# Altium PCB SPEC-A7.PcbDoc (part 3 of 10)
Units mm, origin at the board's own origin, x right, y up, seen from the top; angles counter-clockwise.
Board outline 160 x 100 mm, 6 copper layers (Top Layer, L2, L3, L4, L5, Bottom Layer), stack 1.61 mm thick; 746 components, 489 nets, 2774 pads, 1740 vias.
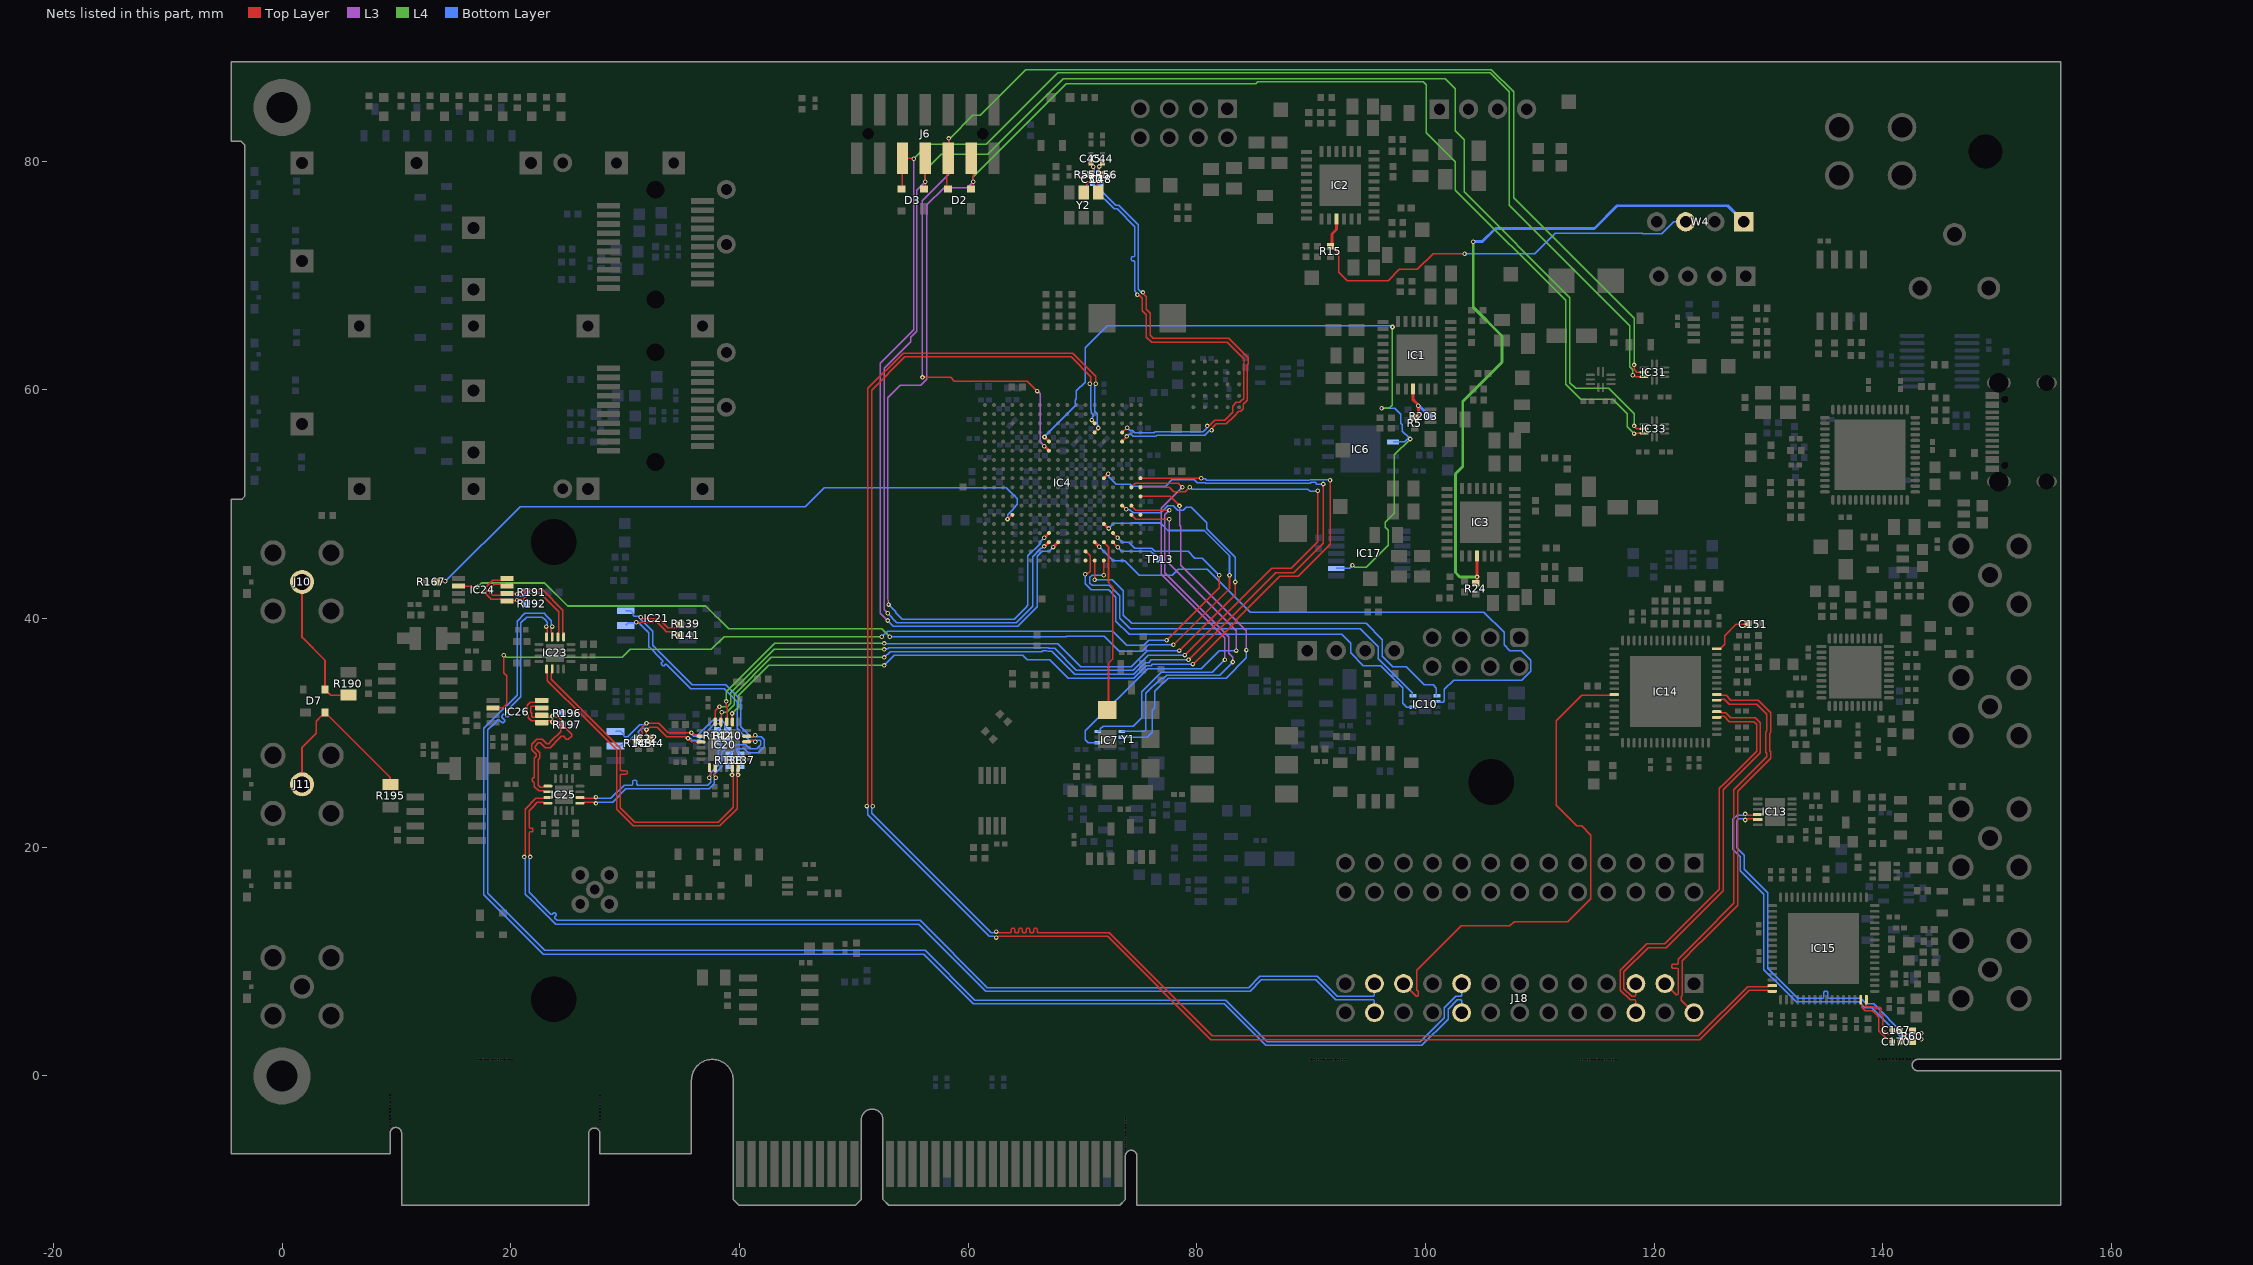
[diagram p7: the nets of this part, all layers, seen from the top]

## Part data (continued)
J17: library part CMP-245163-000001-1, "CONN RCPT USB2.0 TYPEC 5A", Current Rating=5/6.25/1.25/0.25A, Manufacturer=GCT, Package=0, Temperature="-40°C to +85°C", Temperature Range High=+85°C, Temperature Range Low=-40°C, Voltage Rating=20V, Automotive=No, Category=Conn, ComponentLink2Description=Datasheet, ComponentLink2URL=https://gct.co/files/drawings/usb4105.pdf, Conn Orientation="Right Angle", Contact Material=Gold,Nickel, Device Class L1=Connectors, Device Class L2="USB Connectors", Device Class L3=unset, Digikey Description="CONN RCPT USB2.0 TYPEC 5A", Height=3.46mm, Is Female=yes, Lead Free=Yes, Manufacturer Part Number=USB4105-GF-A, Number Of Contacts=16, Octopart=https://octopart.com/usb4105-gf-a-gct-106627878, RoHS=TRUE, USB Standard="USB 2.0"
J18 J20: "WR-PHD Pin Header, THT, pitch 2.54mm, Dual Row, Vertical, 26pin", Contact Resistance=20mOhm, Operating Temperature="-40 to +105degC", Rated Current=3A, Withstanding Voltage=500VAC, Working Voltage=250VAC, ComponentLink1Description=Manufacturer, ComponentLink1URL=http://www.we-online.de, ComponentLink2Description=Datasheet, ComponentLink2URL=https://katalog.we-online.de/em/datasheet/6130xx21121.pdf, Gender=Male, Mounting Technology=THT, Orientation=Vertical, Packaging=Bag, Part Number=61302621121, Pin Number=26, Pitch=2.54mm, Published Date="June 2019", Publisher="Wurth Elektronik", Row Number=Dual
J19: "WR-PHD Pin Header, THT, pitch 2.54mm, Dual Row, Vertical, 8pin", Contact Resistance=20mOhm, Operating Temperature="-40 to +105degC", Rated Current=3A, Withstanding Voltage=500VAC, Working Voltage=250VAC, ComponentLink1Description=Manufacturer, ComponentLink1URL=http://www.we-online.de, ComponentLink2Description=Datasheet, ComponentLink2URL=https://katalog.we-online.de/em/datasheet/6130xx21121.pdf, Gender=Male, Mounting Technology=THT, Orientation=Vertical, Packaging=Bag, Part Number=61300821121, Pin Number=8, Pitch=2.54mm, Published Date="June 2019", Publisher="Wurth Elektronik", Row Number=Dual
L1 L2: library part IND0402_MURATA_BLM15HB221SN1, Case=0402, Manufacturer=MURATA, Manufacturer Part Number=BLM15HB221SN1, Power=250mA, Resistance=1R, Tolerance=±25%, Author="CERN DEM JLC", Component Type=Standard, ComponentHeight=0.55mm, CreateDate=23.06.2009, HelpURL=\\cern.ch\dfs\Applications\Altium\Datasheets\IND0402_MURATA_BLM15H.pdf, LatestRevisionDate=25.10.2018, Mounted=Yes, Part Description="SMD EMIFIL Suppression Chip Ferrite Bead", Part Number=IND0402_MURATA_BLM15HB221SN1, Pin Count=2, Sense=No, SMD=Yes, Socket=No, Status=None
L3 L4 L5 L6 L7 L8 L9: library part IND0603_MURATA_BLM18SG121TN1D, "Inductor", Case=0603, Manufacturer=MURATA, Manufacturer Part Number=BLM18SG121TN1D, Power=3A, Resistance=0.025R, Tolerance=±25%, Author="CERN DEM JLC", Component Type=Standard, ComponentHeight=0.65mm, CreateDate=23.07.2014, HelpURL=\\cern.ch\dfs\Applications\Altium\Datasheets\IND0603_MURATA_BLM18S.pdf, LatestRevisionDate=23.07.2014, Mounted=Yes, Part Description="SMD EMIFIL Suppression Chip Ferrite Bead", Part Number=IND0603_MURATA_BLM18SG121TN1D, Pin Count=2, Sense=No, SMD=Yes, Socket=No, Status=None
L10 L11: library part IND_1UH_20%_MURATA_LQH32CN1R0M33, "Inductor With Core", Manufacturer=MURATA, Manufacturer Part Number=LQH32CN1R0M33, Power=1A, Resistance=0.06R, Tolerance=±20%, Author="CERN DEM JLC", Component Type=Standard, ComponentHeight=2.2mm, CreateDate=14.08.2012, HelpURL=\\cern.ch\dfs\Applications\Altium\Datasheets\IND_MURATA_LQH32CN_33.pdf, LatestRevisionDate=04.07.2018, Mounted=Yes, Part Description="Chip Inductor (Chip Coil) for Choke Wire Wound Type", Part Number=IND_1UH_20%_MURATA_LQH32CN1R0M33, Pin Count=2, Sense=No, SMD=Yes, Socket=No
LD1 LD2 LD3 LD4 LD5 LD6 LD7 LD8 LD9: library part LED_KINGBRIGHT_KPH-1608CGCK, "LED Green 1C 2A", Manufacturer=KINGBRIGHT, Manufacturer Part Number=KPH-1608CGCK, Author="CERN DEM JLC", Bonding=No, Color=Green, Component Type=Standard, ComponentHeight=0.65mm, CreateDate=03.07.2017, HelpURL=\\cern.ch\dfs\Applications\Altium\Datasheets\LED_KINGBRIGHT_KPH-1608CGCK.pdf, LatestRevisionDate=03.07.2017, Mounted=Yes, PackageDescription="SMT Green LED, Case 0603, Body L 1.6 x W 0.8mm H 0.65mm", Part Description="SMD Green LED, Case 1.6mmX0.8mm(0603), 0.65mm Thickness", Part Number=LED_KINGBRIGHT_KPH-1608CGCK, Pin Count=2, PressFit=No, Sense=No, SMD=Yes, Socket=No
LD10 LD11 LD12 LD13 LD14 LD15: library part LED_AVAGO_HSME-C120, "LED Green 1C 2A", Manufacturer="AVAGO TECHNOLOGIES", Manufacturer Part Number=HSME-C120, Author="CERN DEM JMW", Bonding=No, Color=Green, Component Type=Standard, ComponentHeight=0.7mm, ComponentLink1Description="Design Guide", ComponentLink1URL=\\cern.ch\dfs\Applications\Altium\Datasheets\LED_AVAGO_HSME-C110_DESIGN-GUIDE.pdf, CreateDate=22.07.2009, HelpURL=\\cern.ch\dfs\Applications\Altium\Datasheets\LED_AVAGO_HSME-C120.pdf, LatestRevisionDate=20.06.2012, Mounted=Yes, PackageDescription="Green Chip LED, 2-Leads, Body 1.7x1.1mm, Side Emitting Package", Part Description="High Performance Right Angle Chip Green LED", Part Number=LED_AVAGO_HSME-C120, Pin Count=2, PressFit=No, Sense=No, SMD=Yes, Socket=No
LD16 LD17 LD18 LD19: library part LED_AVAGO_HSMC-C120, "LED Red 1C 2A", Manufacturer="AVAGO TECHNOLOGIES", Manufacturer Part Number=HSMC-C120, Author="CERN DEM JMW", Bonding=No, Color=Red, Component Type=Standard, ComponentHeight=0.7mm, ComponentLink1Description="Design Guide", ComponentLink1URL=\\cern.ch\dfs\Applications\Altium\Datasheets\LED_AVAGO_HSMC-C120_DESIGN-GUIDE.pdf, CreateDate=22.07.2009, HelpURL=\\cern.ch\dfs\Applications\Altium\Datasheets\LED_AVAGO_HSMC-C120.pdf, LatestRevisionDate=20.06.2012, Mounted=Yes, PackageDescription="Red Chip LED, 2-Leads, Body 1.7x1.1mm, Side Emitting Package", Part Description="High Performance Right Angle Chip Red LED", Part Number=LED_AVAGO_HSMC-C120, Pin Count=2, PressFit=No, Sense=No, SMD=Yes, Socket=No
OSC1: library part OSC_25MHZ_CONNOR-WINFIELD_T604-025.0M, "Oscillator 4 pins 4=GND 5=OUT 8=OE 9=VCC 10=VC", Manufacturer=CONNOR-WINFIELD, Manufacturer Part Number=T604-025.0M, Author="CERN DEM MR", Bonding=No, Component Type=Standard, ComponentHeight=2.4mm, CreateDate=12.09.2016, HelpURL=\\cern.ch\dfs\Applications\Altium\Datasheets\OSC_CONNOR-WINFIELD_T.pdf, LatestRevisionDate=22.04.2021, Mounted=Yes, PackageDescription="SMD VCTCXO, Side Concave, 10 Pins, 5.00x7.00mm, T Series", Part Description="3.3V, ±0.28ppm, 15pF, -40°C to 85°C, LVCMOS,  Precision Tri-State Surface Mount VCTCXO, T Series", Part Number=OSC_25MHZ_CONNOR-WINFIELD_T604-025.0M, Pin Count=10, PressFit=No, Sense=No, SMD=Yes, Socket=No
OSC2: library part OSC_20MHZ_CONNOR-WINFIELD_DOT050V-020.0M, "Oscillator 4 pins 1=VCO 3=GND 4=OUT 6=VCC", Manufacturer=CONNOR-WINFIELD, Manufacturer Part Number=DOT050V-020.0M, Author="CERN DEM BC", Bonding=No, Component Type=Standard, ComponentHeight=6.86mm, CreateDate=04.11.2016, HelpURL=\\cern.ch\dfs\Applications\Altium\Datasheets\OSC_CONNOR-WINFIELD_DOT050V.pdf, LatestRevisionDate=04.11.2016, Mounted=Yes, PackageDescription="SMD VCTCXO, Side Concave, 6 Pins, 9.00mm x 14.0mm, DOT050V Series", Part Description="3.3V, ±0.05ppm, 15pF, 0 to 70°C, LVCMOS, Precision Surface Mount VCTCXO Temperature Compensated Crystal Oscillator, DOT050V Series", Part Number=OSC_20MHZ_CONNOR-WINFIELD_DOT050V-020.0M, Pin Count=6, PressFit=No, Sense=No, SMD=Yes, Socket=No
P1: "WR-PHD Pin Header, THT, Vertical, pitch 2.54mm, 2 Row, 8P", Contact Resistance=20mOhm, Manufacturer="Wurth Elektronik", Operating Temperature Max=105°C, Operating Temperature Min=-40°C, Rated Current=3A, Withstanding Voltage=500V, Working Voltage=250V, Category="Board-to-Board Connectors", ComponentLink1Description="Website Link", ComponentLink1URL=https://www.we-online.com/redexpert/article/61300821121?ad, ComponentLink2Description="Datasheet Link", ComponentLink2URL=https://www.we-online.com/redexpert/spec/61300821121?ad, Gender="Pin Header", Manufacturer Part Number=61300821121, Match Code=WR-PHD, Mount="Through Hole", Number of Pins=8, Number Of Rows=2, Orientation=Vertical, Packaging=Bag, Pitch=2.54mm
Q1: library part XTAL_12MHZ_TXC_7M-12.000MAAJ-T, "Crystal 4 pins 1=XTAL Control 2=GND3=XTAL 4=GND", Manufacturer="TXC CORPORATION", Manufacturer Part Number=7M-12.000MAAJ-T, Author="CERN DEM JLC", Bonding=No, Component Type=Standard, ComponentHeight=0.8mm, CreateDate=19.06.2012, HelpURL=\\cern.ch\dfs\Applications\Altium\Datasheets\XTAL_TXC_7M.pdf, LatestRevisionDate=19.06.2012, Mounted=Yes, PackageDescription="4 Pins, 2.5x3.2mm, SMD Sealing Crystal, 7M Serie", Part Description="±30ppm 18pF -20°C to +70°C  4 Pins, 3.2x2.5X0.8mm, SMD Sealing Crystal, 7M Series", Part Number=XTAL_12MHZ_TXC_7M-12.000MAAJ-T, Pin Count=4, PressFit=No, Sense=No, SMD=Yes, Socket=No
R1 R2 R6 R10 R17 R19 R26 R28 R44 R58 R63 R64 R65 R79 R125 R126 R127 R128 R129 R130 R137 R138 R139 R140 R141 R142 R143 R144 R147 R155 R156 R157 R158 R167 R168 R171 R172 R173 R174 R176 R193 R198 R202 R206: library part R0402_0R_JUMPER, "Resistor", Case=0402, Manufacturer=GENERIC, Manufacturer1 ComponentHeight=0.4mm, Manufacturer1 Example="YAGEO PHYCOMP", Manufacturer1 Part Number=232270591001L, Author="CERN DEM JLC", Component Type=Standard, CreateDate=03.12.2007, HelpURL=\\cern.ch\dfs\Applications\Altium\Datasheets\R0402_Phycomp_RC0402.pdf, LatestRevisionDate=17.10.2012, Manufacturer Part Number=R0402_0R_JUMPER, Mounted=Yes, Part Description="1A (0.05R Max DC Resistance) Zero Ohm Jumper", Part Number=R0402_0R_JUMPER, Pin Count=2, PressFit=No, Sense=No, SMD=Yes, Socket=No, Status="Not Recommended"
  R44 R147 R171 R172 R173 R174 R176: ClassName=Artix
R3 R4 R5 R7 R8 R11 R15 R16 R20 R21 R24 R30 R32 R33 R34 R35 R43 R49 R94 R95 R96 R98 R100 R101 R102 R103 R107 R108 R109 R110 R111 R114 R116 R117 R118 R119 R120 R135 R136 R145 R146 R203: library part R0402_10K_1%_0.0625W_100PPM, "Resistor - 1%", Case=0402, Manufacturer=GENERIC, Manufacturer1 ComponentHeight=0.4mm, Manufacturer1 Example="YAGEO PHYCOMP", Manufacturer1 Part Number=232270671003L, Power=0.0625W, Tolerance=±1%, Author="CERN DEM JLC", Component Type=Standard, CreateDate=03.12.2007, HelpURL=\\cern.ch\dfs\Applications\Altium\Datasheets\R0402_Phycomp_RC0402.pdf, LatestRevisionDate=17.10.2012, Manufacturer Part Number=R0402_10K_1%_0.0625W_100PPM, Mounted=Yes, Part Description="General Purpose Thick Film Chip Resistor", Part Number=R0402_10K_1%_0.0625W_100PPM, Pin Count=2, PressFit=No, Sense=No, SMD=Yes, Socket=No, Status="Not Recommended", TC=±100ppm/°C
  R43 R49: ClassName=FPGA_JTAG
R9 R12 R14 R18 R39: library part R0402_15K_1%_0.0625W_100PPM, "Resistor - 1%", Case=0402, Manufacturer=GENERIC, Manufacturer1 ComponentHeight=0.4mm, Manufacturer1 Example=VISHAY, Manufacturer1 Part Number=CRCW040215K0FK, Power=0.0625W, Tolerance=±1%, Author="CERN DEM JMW", Component Type=Standard, CreateDate=06.07.2015, HelpURL="\\cern.ch\dfs\Applications\Altium\Datasheets\R0402_VISHAY_CRCW e3.pdf", LatestRevisionDate=06.07.2015, Manufacturer Part Number=R0402_15K_1%_0.0625W_100PPM, Mounted=Yes, Part Description="General Purpose Thick Film Chip Resistor", Part Number=R0402_15K_1%_0.0625W_100PPM, Pin Count=2, PressFit=No, Sense=No, SMD=Yes, Socket=No, Status=Preferred, TC=±100ppm/°C
R13 R25: library part R0402_7K5_1%_0.0625W_100PPM, "Resistor - 1%", Case=0402, Manufacturer=GENERIC, Manufacturer1 ComponentHeight=0.4mm, Manufacturer1 Example="YAGEO PHYCOMP", Manufacturer1 Part Number=232270677502L, Power=0.0625W, Tolerance=±1%, Author="CERN DEM JLC", Component Type=Standard, CreateDate=03.12.2007, HelpURL=\\cern.ch\dfs\Applications\Altium\Datasheets\R0402_Phycomp_RC0402.pdf, LatestRevisionDate=17.10.2012, Manufacturer Part Number=R0402_7K5_1%_0.0625W_100PPM, Mounted=Yes, Part Description="General Purpose Thick Film Chip Resistor", Part Number=R0402_7K5_1%_0.0625W_100PPM, Pin Count=2, PressFit=No, Sense=No, SMD=Yes, Socket=No, Status="Not Recommended", TC=±100ppm/°C
R22 R29: library part R0402_11K_1%_0.0625W_100PPM, "Resistor - 1%", Case=0402, Manufacturer=GENERIC, Manufacturer1 ComponentHeight=0.4mm, Manufacturer1 Example="YAGEO PHYCOMP", Manufacturer1 Part Number=232270671103L, Power=0.0625W, Tolerance=±1%, Author="CERN DEM JLC", Component Type=Standard, CreateDate=03.12.2007, HelpURL=\\cern.ch\dfs\Applications\Altium\Datasheets\R0402_Phycomp_RC0402.pdf, LatestRevisionDate=17.10.2012, Manufacturer Part Number=R0402_11K_1%_0.0625W_100PPM, Mounted=Yes, Part Description="General Purpose Thick Film Chip Resistor", Part Number=R0402_11K_1%_0.0625W_100PPM, Pin Count=2, PressFit=No, Sense=No, SMD=Yes, Socket=No, Status="Not Recommended", TC=±100ppm/°C
R23: library part R0402_1K5_1%_0.0625W_100PPM, "Resistor - 1%", Case=0402, Manufacturer=GENERIC, Manufacturer1 ComponentHeight=0.4mm, Manufacturer1 Example="YAGEO PHYCOMP", Manufacturer1 Part Number=232270671502L, Power=0.0625W, Tolerance=±1%, Author="CERN DEM JLC", Component Type=Standard, CreateDate=03.12.2007, HelpURL=\\cern.ch\dfs\Applications\Altium\Datasheets\R0402_Phycomp_RC0402.pdf, LatestRevisionDate=17.10.2012, Manufacturer Part Number=R0402_1K5_1%_0.0625W_100PPM, Mounted=Yes, Part Description="General Purpose Thick Film Chip Resistor", Part Number=R0402_1K5_1%_0.0625W_100PPM, Pin Count=2, PressFit=No, Sense=No, SMD=Yes, Socket=No, Status="Not Recommended", TC=±100ppm/°C
R27 R112 R201: library part R0402_12K_1%_0.0625W_100PPM, "Resistor - 1%", Case=0402, Manufacturer=GENERIC, Manufacturer1 ComponentHeight=0.4mm, Manufacturer1 Example="YAGEO PHYCOMP", Manufacturer1 Part Number=232270671203L, Power=0.0625W, Tolerance=±1%, Author="CERN DEM JLC", Component Type=Standard, CreateDate=03.12.2007, HelpURL=\\cern.ch\dfs\Applications\Altium\Datasheets\R0402_Phycomp_RC0402.pdf, LatestRevisionDate=17.10.2012, Manufacturer Part Number=R0402_12K_1%_0.0625W_100PPM, Mounted=Yes, Part Description="General Purpose Thick Film Chip Resistor", Part Number=R0402_12K_1%_0.0625W_100PPM, Pin Count=2, PressFit=No, Sense=No, SMD=Yes, Socket=No, Status="Not Recommended", TC=±100ppm/°C
R31 R45 R46 R47 R54 R113 R124 R152 R153 R177 R178: library part R0402_4K7_1%_0.0625W_100PPM, "Resistor - 1%", Case=0402, Manufacturer=GENERIC, Manufacturer1 ComponentHeight=0.4mm, Manufacturer1 Example="YAGEO PHYCOMP", Manufacturer1 Part Number=232270674702L, Power=0.0625W, Tolerance=±1%, Author="CERN DEM JLC", Component Type=Standard, CreateDate=03.12.2007, HelpURL=\\cern.ch\dfs\Applications\Altium\Datasheets\R0402_Phycomp_RC0402.pdf, LatestRevisionDate=17.10.2012, Manufacturer Part Number=R0402_4K7_1%_0.0625W_100PPM, Mounted=Yes, Part Description="General Purpose Thick Film Chip Resistor", Part Number=R0402_4K7_1%_0.0625W_100PPM, Pin Count=2, PressFit=No, Sense=No, SMD=Yes, Socket=No, Status="Not Recommended", TC=±100ppm/°C
R36 R48 R169 R170: library part R0402_1k_1%_0.0625W_100PPM, "Resistor - 1%", Case=0402, Manufacturer=GENERIC, Manufacturer1 ComponentHeight=0.4mm, Manufacturer1 Example="YAGEO PHYCOMP", Manufacturer1 Part Number=232270671002L, Manufacturer Part Number=R0402_1K_1%_0.0625W_100PPM, Power=0.0625W, Tolerance=±1%, Author="CERN DEM JLC", Component Type=Standard, CreateDate=03.12.2007, HelpURL=\\cern.ch\dfs\Applications\Altium\Datasheets\R0402_Phycomp_RC0402.pdf, LatestRevisionDate=17.10.2012, Mounted=Yes, Part Description="General Purpose Thick Film Chip Resistor", Part Number=R0402_1K_1%_0.0625W_100PPM, Pin Count=2, PressFit=No, Sense=No, SMD=Yes, Socket=No, Status="Not Recommended", TC=±100ppm/°C
  R48 R170: ClassName=Artix
R37 R40 R41 R121 R122: library part R0402_2K2_1%_0.0625W_100PPM, "Resistor - 1%", Case=0402, Manufacturer=GENERIC, Manufacturer1 ComponentHeight=0.4mm, Manufacturer1 Example="YAGEO PHYCOMP", Manufacturer1 Part Number=232270672202L, Power=0.0625W, Tolerance=±1%, Author="CERN DEM JLC", Component Type=Standard, CreateDate=03.12.2007, HelpURL=\\cern.ch\dfs\Applications\Altium\Datasheets\R0402_Phycomp_RC0402.pdf, LatestRevisionDate=17.10.2012, Manufacturer Part Number=R0402_2K2_1%_0.0625W_100PPM, Mounted=Yes, Part Description="General Purpose Thick Film Chip Resistor", Part Number=R0402_2K2_1%_0.0625W_100PPM, Pin Count=2, PressFit=No, Sense=No, SMD=Yes, Socket=No, Status="Not Recommended", TC=±100ppm/°C
R38: library part R0402_68K_1%_0.0625W_100PPM, "Resistor - 1%", Case=0402, Manufacturer=GENERIC, Manufacturer1 ComponentHeight=0.4mm, Manufacturer1 Example="YAGEO PHYCOMP", Manufacturer1 Part Number=232270676803L, Power=0.0625W, Tolerance=±1%, Author="CERN DEM JLC", Component Type=Standard, CreateDate=03.12.2007, HelpURL=\\cern.ch\dfs\Applications\Altium\Datasheets\R0402_Phycomp_RC0402.pdf, LatestRevisionDate=17.10.2012, Manufacturer Part Number=R0402_68K_1%_0.0625W_100PPM, Mounted=Yes, Part Description="General Purpose Thick Film Chip Resistor", Part Number=R0402_68K_1%_0.0625W_100PPM, Pin Count=2, PressFit=No, Sense=No, SMD=Yes, Socket=No, Status="Not Recommended", TC=±100ppm/°C
R42 R51 R52 R57 R60 R62 R80 R83 R85 R88 R93 R123 R148 R150 R151 R165 R166: library part R0402_100R_1%_0.0625W_100PPM, "Resistor - 1%", Case=0402, Manufacturer=GENERIC, Manufacturer1 ComponentHeight=0.4mm, Manufacturer1 Example="YAGEO PHYCOMP", Manufacturer1 Part Number=232270671001L, Power=0.0625W, Tolerance=±1%, Author="CERN DEM JLC", Component Type=Standard, CreateDate=03.12.2007, HelpURL=\\cern.ch\dfs\Applications\Altium\Datasheets\R0402_Phycomp_RC0402.pdf, LatestRevisionDate=17.10.2012, Manufacturer Part Number=R0402_100R_1%_0.0625W_100PPM, Mounted=Yes, Part Description="General Purpose Thick Film Chip Resistor", Part Number=R0402_100R_1%_0.0625W_100PPM, Pin Count=2, PressFit=No, Sense=No, SMD=Yes, Socket=No, Status="Not Recommended", TC=±100ppm/°C
R50 R59 R61 R204: library part R0402_300R_1%_0.0625W_100PPM, "Resistor - 1%", Case=0402, Manufacturer=GENERIC, Manufacturer1 ComponentHeight=0.4mm, Manufacturer1 Example="YAGEO PHYCOMP", Manufacturer1 Part Number=232270673001L, Power=0.0625W, Tolerance=±1%, Author="CERN DEM JLC", Component Type=Standard, CreateDate=03.12.2007, HelpURL=\\cern.ch\dfs\Applications\Altium\Datasheets\R0402_Phycomp_RC0402.pdf, LatestRevisionDate=17.10.2012, Manufacturer Part Number=R0402_300R_1%_0.0625W_100PPM, Mounted=Yes, Part Description="General Purpose Thick Film Chip Resistor", Part Number=R0402_300R_1%_0.0625W_100PPM, Pin Count=2, PressFit=No, Sense=No, SMD=Yes, Socket=No, Status="Not Recommended", TC=±100ppm/°C
R53 R76 R77 R86 R87 R89 R90 R191 R192 R194 R196 R197 R199: library part R0402_49R9_1%_0.0625W_100PPM, "Resistor - 1%", Case=0402, Manufacturer=GENERIC, Manufacturer1 ComponentHeight=0.4mm, Manufacturer1 Example="YAGEO PHYCOMP", Manufacturer1 Part Number="232270674999L or RC0402FR-0749R9L", Power=0.0625W, Tolerance=±1%, Author="CERN DEM JLC", Component Type=Standard, CreateDate=24.10.2012, HelpURL=\\cern.ch\dfs\Applications\Altium\Datasheets\R0402_Phycomp_RC0402.pdf, LatestRevisionDate=24.10.2012, Manufacturer Part Number=R0402_49R9_1%_0.0625W_100PPM, Mounted=Yes, Part Description="General Purpose Thick Film Chip Resistor", Part Number=R0402_49R9_1%_0.0625W_100PPM, Pin Count=2, PressFit=No, Sense=No, SMD=Yes, Socket=No, Status="Not Recommended", TC=±100ppm/°C
R55 R56: library part R0402_120R_1%_0.0625W_100PPM, "Resistor - 1%", Case=0402, Manufacturer=GENERIC, Manufacturer1 ComponentHeight=0.4mm, Manufacturer1 Example="YAGEO PHYCOMP", Manufacturer1 Part Number=232270671201L, Power=0.0625W, Tolerance=±1%, Author="CERN DEM JLC", Component Type=Standard, CreateDate=03.12.2007, HelpURL=\\cern.ch\dfs\Applications\Altium\Datasheets\R0402_Phycomp_RC0402.pdf, LatestRevisionDate=17.10.2012, Manufacturer Part Number=R0402_120R_1%_0.0625W_100PPM, Mounted=Yes, Part Description="General Purpose Thick Film Chip Resistor", Part Number=R0402_120R_1%_0.0625W_100PPM, Pin Count=2, PressFit=No, Sense=No, SMD=Yes, Socket=No, Status="Not Recommended", TC=±100ppm/°C
R66 R67 R70 R104 R105 R106: library part R0402_5K1_1%_0.0625W_100PPM, "Resistor - 1%", Case=0402, Manufacturer=GENERIC, Manufacturer1 ComponentHeight=0.4mm, Manufacturer1 Example="YAGEO PHYCOMP", Manufacturer1 Part Number=232270675102L, Power=0.0625W, Tolerance=±1%, Author="CERN DEM JLC", Component Type=Standard, CreateDate=03.12.2007, HelpURL=\\cern.ch\dfs\Applications\Altium\Datasheets\R0402_Phycomp_RC0402.pdf, LatestRevisionDate=17.10.2012, Manufacturer Part Number=R0402_5K1_1%_0.0625W_100PPM, Mounted=Yes, Part Description="General Purpose Thick Film Chip Resistor", Part Number=R0402_5K1_1%_0.0625W_100PPM, Pin Count=2, PressFit=No, Sense=No, SMD=Yes, Socket=No, Status="Not Recommended", TC=±100ppm/°C
R68 R69 R71: library part R0402_4K12_1%_0.0625W_100PPM, "Resistor - 1%", Case=0402, Manufacturer=GENERIC, Manufacturer1 ComponentHeight=0.4mm, Manufacturer1 Example="YAGEO PHYCOMP", Manufacturer1 Part Number="232270674122L or RC0402FR-074K12L", Power=0.0625W, Tolerance=±1%, Author="CERN DEM JLC", Component Type=Standard, CreateDate=24.10.2012, HelpURL=\\cern.ch\dfs\Applications\Altium\Datasheets\R0402_Phycomp_RC0402.pdf, LatestRevisionDate=24.10.2012, Manufacturer Part Number=R0402_4K12_1%_0.0625W_100PPM, Mounted=Yes, Part Description="General Purpose Thick Film Chip Resistor", Part Number=R0402_4K12_1%_0.0625W_100PPM, Pin Count=2, PressFit=No, Sense=No, SMD=Yes, Socket=No, Status="Not Recommended", TC=±100ppm/°C
R72: library part R0402_750R_1%_0.0625W_100PPM, "Resistor - 1%", Case=0402, Manufacturer=GENERIC, Manufacturer1 ComponentHeight=0.4mm, Manufacturer1 Example="YAGEO PHYCOMP", Manufacturer1 Part Number=232270677501L, Power=0.0625W, Tolerance=±1%, Author="CERN DEM JLC", Component Type=Standard, CreateDate=03.12.2007, HelpURL=\\cern.ch\dfs\Applications\Altium\Datasheets\R0402_Phycomp_RC0402.pdf, LatestRevisionDate=17.10.2012, Manufacturer Part Number=R0402_750R_1%_0.0625W_100PPM, Mounted=Yes, Part Description="General Purpose Thick Film Chip Resistor", Part Number=R0402_750R_1%_0.0625W_100PPM, Pin Count=2, PressFit=No, Sense=No, SMD=Yes, Socket=No, Status="Not Recommended", TC=±100ppm/°C
R73: library part R0402_820R_1%_0.0625W_100PPM, "Resistor - 1%", Case=0402, Manufacturer=GENERIC, Manufacturer1 ComponentHeight=0.4mm, Manufacturer1 Example="YAGEO PHYCOMP", Manufacturer1 Part Number=232270678201L, Power=0.0625W, Tolerance=±1%, Author="CERN DEM JLC", Component Type=Standard, CreateDate=03.12.2007, HelpURL=\\cern.ch\dfs\Applications\Altium\Datasheets\R0402_Phycomp_RC0402.pdf, LatestRevisionDate=17.10.2012, Manufacturer Part Number=R0402_820R_1%_0.0625W_100PPM, Mounted=Yes, Part Description="General Purpose Thick Film Chip Resistor", Part Number=R0402_820R_1%_0.0625W_100PPM, Pin Count=2, PressFit=No, Sense=No, SMD=Yes, Socket=No, Status="Not Recommended", TC=±100ppm/°C
R74: library part R0402_390R_1%_0.0625W_100PPM, "Resistor - 1%", Case=0402, Manufacturer=GENERIC, Manufacturer1 ComponentHeight=0.4mm, Manufacturer1 Example="YAGEO PHYCOMP", Manufacturer1 Part Number=232270673901L, Power=0.0625W, Tolerance=±1%, Author="CERN DEM JLC", Component Type=Standard, CreateDate=03.12.2007, HelpURL=\\cern.ch\dfs\Applications\Altium\Datasheets\R0402_Phycomp_RC0402.pdf, LatestRevisionDate=17.10.2012, Manufacturer Part Number=R0402_390R_1%_0.0625W_100PPM, Mounted=Yes, Part Description="General Purpose Thick Film Chip Resistor", Part Number=R0402_390R_1%_0.0625W_100PPM, Pin Count=2, PressFit=No, Sense=No, SMD=Yes, Socket=No, Status="Not Recommended", TC=±100ppm/°C
R75: library part R0603_2K7_1%_0.1W_100PPM, "Resistor - 1%", Case=0603, Manufacturer=GENERIC, Manufacturer1 ComponentHeight=0.55mm, Manufacturer1 Example="YAGEO PHYCOMP", Manufacturer1 Part Number=RC0603FR-072K7L, Power=0.1W, Tolerance=±1%, Author="CERN DEM JLC", Component Type=Standard, CreateDate=02.05.2011, HelpURL=\\cern.ch\dfs\Applications\Altium\Datasheets\R0603_PHYCOMP_RC0603.pdf, LatestRevisionDate=02.05.2011, Manufacturer Part Number=R0603_2K7_1%_0.1W_100PPM, Mounted=Yes, Part Description="General Purpose Thick Film Chip Resistor", Part Number=R0603_2K7_1%_0.1W_100PPM, Pin Count=2, PressFit=No, Sense=No, SMD=Yes, Socket=No, Status=Preferred, TC=±100ppm/°C
R78 R179 R180 R181 R182 R183 R184 R185: library part R0805_0R001_1%_0.5W_100PPM, "SMD current sensing resistor- metal strip", Case=0805, Manufacturer=GENERIC, Manufacturer1 ComponentHeight=0.6mm, Manufacturer1 Example=Eaton, Manufacturer1 Part Number=MSMA0805R0010FSM, Author=GK, Component Type=Standard, CreateDate=03.12.2007, HelpURL=\\cern.ch\dfs\Applications\Altium\Datasheets\R0805_NIC_NRC.pdf, LatestRevisionDate=13.03.2008, Manufacturer Part Number=R0805_0R001_1%_0.5W_100PPM, Mounted=Yes, Part Description=R0805_0R001_1%_0.5W_100PPM, Part Number=MSMA0805R0010FSM, Pin Count=2, PressFit=No, Sense=No, SMD=Yes, Socket=No, Status=Preferred
R81 R82: library part R0402_330R_1%_0.0625W_100PPM, "Resistor - 1%", Case=0402, Manufacturer=GENERIC, Manufacturer1 ComponentHeight=0.4mm, Manufacturer1 Example="YAGEO PHYCOMP", Manufacturer1 Part Number=232270673301L, Power=0.0625W, Tolerance=±1%, Author="CERN DEM JLC", Component Type=Standard, CreateDate=03.12.2007, HelpURL=\\cern.ch\dfs\Applications\Altium\Datasheets\R0402_Phycomp_RC0402.pdf, LatestRevisionDate=17.10.2012, Manufacturer Part Number=R0402_330R_1%_0.0625W_100PPM, Mounted=Yes, Part Description="General Purpose Thick Film Chip Resistor", Part Number=R0402_330R_1%_0.0625W_100PPM, Pin Count=2, PressFit=No, Sense=No, SMD=Yes, Socket=No, Status="Not Recommended", TC=±100ppm/°C
R84 R91 R92 R149 R159 R160 R161 R162 R163 R164: library part R0402_22R_1%_0.0625W_100PPM, "Resistor - 1%", Case=0402, Manufacturer=GENERIC, Manufacturer1 ComponentHeight=0.4mm, Manufacturer1 Example="YAGEO PHYCOMP", Manufacturer1 Part Number=232270672209L, Power=0.0625W, Tolerance=±1%, Author="CERN DEM JLC", Component Type=Standard, CreateDate=03.12.2007, HelpURL=\\cern.ch\dfs\Applications\Altium\Datasheets\R0402_Phycomp_RC0402.pdf, LatestRevisionDate=17.10.2012, Manufacturer Part Number=R0402_22R_1%_0.0625W_100PPM, Mounted=Yes, Part Description="General Purpose Thick Film Chip Resistor", Part Number=R0402_22R_1%_0.0625W_100PPM, Pin Count=2, PressFit=No, Sense=No, SMD=Yes, Socket=No, Status="Not Recommended", TC=±100ppm/°C
R97 R99 R131 R132 R133 R134 R186 R187 R188 R189: library part R0402_240R_1%_0.0625W_100PPM, "Resistor - 1%", Case=0402, Manufacturer=GENERIC, Manufacturer1 ComponentHeight=0.4mm, Manufacturer1 Example="YAGEO PHYCOMP", Manufacturer1 Part Number=232270672401L, Power=0.0625W, Tolerance=±1%, Author="CERN DEM JLC", Component Type=Standard, CreateDate=03.12.2007, HelpURL=\\cern.ch\dfs\Applications\Altium\Datasheets\R0402_Phycomp_RC0402.pdf, LatestRevisionDate=17.10.2012, Manufacturer Part Number=R0402_240R_1%_0.0625W_100PPM, Mounted=Yes, Part Description="General Purpose Thick Film Chip Resistor", Part Number=R0402_240R_1%_0.0625W_100PPM, Pin Count=2, PressFit=No, Sense=No, SMD=Yes, Socket=No, Status="Not Recommended", TC=±100ppm/°C
R115: library part R0402_200K_1%_0.0625W_100PPM, "Resistor - 1%", Case=0402, Manufacturer=GENERIC, Manufacturer1 ComponentHeight=0.4mm, Manufacturer1 Example="YAGEO PHYCOMP", Manufacturer1 Part Number=232270672004L, Power=0.0625W, Tolerance=±1%, Author="CERN DEM JLC", Component Type=Standard, CreateDate=03.12.2007, HelpURL=\\cern.ch\dfs\Applications\Altium\Datasheets\R0402_Phycomp_RC0402.pdf, LatestRevisionDate=17.10.2012, Manufacturer Part Number=R0402_200K_1%_0.0625W_100PPM, Mounted=Yes, Part Description="General Purpose Thick Film Chip Resistor", Part Number=R0402_200K_1%_0.0625W_100PPM, Pin Count=2, PressFit=No, Sense=No, SMD=Yes, Socket=No, Status="Not Recommended", TC=±100ppm/°C
R154 R190 R195: library part R0805_33R_1%_0.125W_100PPM, "Resistor - 1%", Case=0805, Manufacturer=GENERIC, Manufacturer1 ComponentHeight=0.6mm, Manufacturer1 Example="NIC COMPONENT", Manufacturer1 Part Number=NRC10F33R0TRF, Power=0.125W, Tolerance=±1%, Author="CERN DEM JLC", Component Type=Standard, CreateDate=03.12.2007, HelpURL=\\cern.ch\dfs\Applications\Altium\Datasheets\R0805_NIC_NRC.pdf, LatestRevisionDate=13.03.2008, Manufacturer Part Number=R0805_33R_1%_0.125W_100PPM, Mounted=Yes, Part Description="General Purpose Thick Film Chip Resistor", Part Number=R0805_33R_1%_0.125W_100PPM, Pin Count=2, PressFit=No, Sense=No, SMD=Yes, Socket=No, Status=Preferred, TC=±100ppm/°C
R175 R200: library part R0402_27R_1%_0.0625W_100PPM, "Resistor - 1%", Case=0402, Manufacturer=GENERIC, Manufacturer1 ComponentHeight=0.4mm, Manufacturer1 Example="YAGEO PHYCOMP", Manufacturer1 Part Number=232270672709L, Power=0.0625W, Tolerance=±1%, Author="CERN DEM JLC", Component Type=Standard, CreateDate=03.12.2007, HelpURL=\\cern.ch\dfs\Applications\Altium\Datasheets\R0402_Phycomp_RC0402.pdf, LatestRevisionDate=17.10.2012, Manufacturer Part Number=R0402_27R_1%_0.0625W_100PPM, Mounted=Yes, Part Description="General Purpose Thick Film Chip Resistor", Part Number=R0402_27R_1%_0.0625W_100PPM, Pin Count=2, PressFit=No, Sense=No, SMD=Yes, Socket=No, Status="Not Recommended", TC=±100ppm/°C
T1 T2 T3 T4 T5 T6 T7 T8 T9 T10 T11 T12 T13 T14: "N-CHANNEL MOSFET WITH DIODE", Case=SOT23-3, Manufacturer=NEXPERIA, Author="CERN DEM JLC", Bonding=No, Component Type=Standard, ComponentHeight=1.1mm, CreateDate=16.03.2010, Device=BSH103, HelpURL=\\cern.ch\dfs\Applications\Altium\Datasheets\BSH103.pdf, LatestRevisionDate=20.06.2017, Manufacturer Part Number=BSH103, Mounted=Yes, PackageDescription="SOT23, 3 pin, Pitch 0.95mm - 1.3mm W X 2.9mm L X 1.1mm H, IPC Medium Density", Part Description="30V 850mA N-Channel Enhancement Mode Field-Effect Transistor", Part Number=BSH103, Pin Count=3, PressFit=No, Sense=No, SMD=Yes, Socket=No
  T6: ClassName=Artix
TP1 TP2 TP3 TP4 TP5 TP6 TP7 TP8 TP9 TP10 TP11 TP12 TP14 TP15 TP16 TP17: library part SMD_PAD_1.27X1.27MM, Author="CERN DEM JLC", Component Type="Standard (No BOM)", ComponentHeight=0mm, CreateDate=12.01.2008, Family="Test Point", HelpURL=Undefined, LatestRevisionDate=12.01.2008, Mounted=No, PackageDescription="1.27mm x 1.27mm PCB Copper Area (SMD Test Point)", Part Description="1.27mm x 1.27mm PCB Copper Area (SMD Test Point)", Part Number=SMD_PAD_1.27X1.27MM, Pin Count=1, Sense=No, SMD=Yes, Socket=No, Status=None
TP13 TP18 TP19: library part SMD_PAD_0.6X0.6MM, Author="CERN DEM HF", Component Type="Standard (No BOM)", ComponentHeight=0mm, CreateDate=24.05.2023, Family="Test Point", HelpURL=Undefined, LatestRevisionDate=24.05.2023, Mounted=No, PackageDescription="0.6mm x 0.6mm PCB Copper Area (SMD Test Point)", Part Description="0.6mm x 0.6mm PCB Copper Area (SMD Test Point)", Part Number=SMD_PAD_0.6X0.6MM, Pin Count=1, Sense=No, SMD=Yes, Socket=No, Status=None
TR1: library part XFMR_COILCRAFT_WBC16-1TLB, "SMT Transformer WBC Series Type B Pinout", Manufacturer=COILCRAFT, Manufacturer Part Number=WBC16-1TL, Author="CERN DEM JLC", Component Type=Standard, ComponentHeight=3.05mm, CreateDate=27.09.2016, HelpURL=\\cern.ch\dfs\Applications\Altium\Datasheets\XFMR_COILCRAFT_WBC.pdf, LatestRevisionDate=27.09.2016, Mounted=Yes, Part Description="Surface Mount Mini Wideband Transformer, WBC Series (Violet Dot)", Part Number=XFMR_COILCRAFT_WBC16-1TLB, Pin Count=6, Sense=No, SMD=Yes, Socket=No, Status=None
W1 W2 W3 W4: library part SAMTEC_HTSW-104-23-L-S, "4 Mini Wire-Wrap Contact Strip Header", Manufacturer=SAMTEC, Manufacturer Part Number=HTSW-104-23-L-S, Author="CERN DEM JLC", Component Type=Standard, ComponentHeight=8.38mm, CreateDate=22/02/2018, Family="Header 4", HelpURL=\\cern.ch\dfs\Applications\Altium\Datasheets\SAMTEC_HTSW-104-23-L-S.pdf, LatestRevisionDate=22/02/2018, Mounted=Yes, Part Description="4 Contacts, Pitch 2.54mm, Single Row  Through Mount Straight Header (Post Lead 5.84mm, Tail Lead 2.92mm, Insulator 2.54mm)", Part Number=SAMTEC_HTSW-104-23-L-S, Pin Count=4, PressFit=No, Sense=No, SMD=No, Socket=No, Status=Preferred, Status Comment="High Temperature"
Y1: library part CMP-25159-259533-1, "MEMS OSC VCXO 62.500000MHZ LVCMOS"
Y2: library part OSC_125MHZ_SI-TIME_SIT9121AI-2C2-33E125.000000, "Standard Frequency Differential Oscillator", Manufacturer="SI TIME", Manufacturer Part Number=SIT9121AI-2C2-33E125.000000, Author="CERN DEM HF", Bonding=No, Component Type=Standard, ComponentHeight=0.8mm, CreateDate=06.12.2024, HelpURL=\\cern.ch\dfs\Applications\Altium\Datasheets\OSC_SI-TIME_SIT9121.pdf, LatestRevisionDate=06.12.2024, Mounted=Yes, PackageDescription="SiT9121 Series Package C, Oscillators, Version 3.2.0mm x 5.0mm, Pitch 1.27mm; 6 Pin", Part Description="3.3V, ±25ppm, -40..85°C, 3.2x5.0mm Surface Mount LVDS High Performance Differential Oscillator (SIT9121 Series)", Part Number=OSC_125MHZ_SI-TIME_SIT9121AI-2C2-33E125.000000, Pin Count=6, PressFit=No, Sense=No, SMD=Yes, Socket=No

## Free pads (board coordinates)
  round 0.2 hole 0.2 unplated mask+0: FH(9.45,-4.676) FH(9.45,-4.376) FH(9.45,-4.076) FH(9.45,-3.776) FH(9.45,-3.476) FH(9.45,-3.176) FH(9.45,-2.876) FH(9.45,-2.576) FH(9.45,-2.276) FH(9.45,-1.976) FH(9.45,-1.676) FH(17.125,1.449) FH(17.425,1.449) FH(17.725,1.449) FH(18.025,1.449) FH(18.325,1.449) FH(18.625,1.449) FH(18.925,1.449) FH(19.225,1.449) FH(19.525,1.449) FH(19.825,1.449) FH(20.125,1.449) FH(27.8,-4.676) FH(27.8,-4.376) FH(27.8,-4.076) FH(27.8,-3.776) FH(27.8,-3.476) FH(27.8,-3.176) FH(27.8,-2.876) FH(27.8,-2.576) FH(27.8,-2.276) FH(27.8,-1.976) FH(27.8,-1.676) FH(73.75,-6.676) FH(73.75,-6.376) FH(73.75,-6.076) FH(73.75,-5.776) FH(73.75,-5.476) FH(73.75,-5.176) FH(73.75,-4.876) FH(73.75,-4.576) FH(73.75,-4.276) FH(73.75,-3.976) FH(73.75,-3.676) FH(89.945,1.449) FH(90.245,1.449) FH(90.545,1.449) FH(90.845,1.449) FH(91.145,1.449) FH(91.445,1.449) FH(91.745,1.449) FH(92.045,1.449) FH(92.345,1.449) FH(92.645,1.449) FH(92.945,1.449) FH(113.639,1.448) FH(113.939,1.448) FH(114.239,1.448) FH(114.539,1.448) FH(114.839,1.448) FH(115.139,1.448) FH(115.439,1.448) FH(115.739,1.448) FH(116.039,1.448) FH(116.339,1.448) FH(116.639,1.448) FH(139.677,1.452) FH(139.977,1.452) FH(140.277,1.452) FH(140.577,1.452) FH(140.877,1.452) FH(141.177,1.452) FH(141.477,1.452) FH(141.777,1.452) FH(142.077,1.452) FH(142.377,1.452) FH(142.677,1.452)

## Via types
v1: diameter 0.4, hole 0.2, Top Layer to Bottom Layer, tented both sides, 1622 vias
v2: diameter 0.5, hole 0.2, Top Layer to Bottom Layer, tented both sides, 73 vias
v3: diameter 0.4, hole 0.2, Top Layer to Bottom Layer, 45 vias

## Nets (pads, with @x,y where several pads share a name; then routed paths per layer and width w, separated by ;. In a path a pad name is that pad's centre, name@x,y a point inside that pad or via, vN(x,y) a via of type N, cw(c..) or ccw(c..) an arc to the next point about the centre after c; other vN are vias at no path point)
10M_OUT_SE: IC4.N4 R167.1 | length 57.3
  Top Layer w0.127: R167.1@13.52,43.2 14.152,43.2 14.206,43.255 v1(14.28,43.255) ; v1(63.441,48.7) 63.465,48.7 63.84,49.076 IC4.N4@63.864,49.076
  Bottom Layer w0.127: v1(14.28,43.255) 20.826,49.8 45.75,49.8 47.402,51.452 63.328,51.452 63.962,50.819 63.968,50.819 64.304,50.483 64.304,49.989 63.935,49.621 63.935,49.569 63.456,49.09 63.456,48.715 v1(63.441,48.7)
62_5MHZ_N: IC4.C13 IC15.47 | length 153.3
  Top Layer w0.127: v1(51.653,23.597) 51.653,23.671 51.552,23.772 51.552,59.984 54.458,62.889 69.011,62.889 70.734,61.166 70.734,60.703 70.635,60.605 v1(70.635,60.531) ; v1(62.45,12.627) 62.524,12.627 62.622,12.529 63.626,12.529 63.69,12.529 63.764,12.603 63.764,12.836 63.829,12.902 64.026,12.902 64.091,12.836 64.091,12.594 64.156,12.529 64.353,12.529 64.418,12.594 64.418,12.836 64.483,12.902 64.68,12.902 64.745,12.836 64.745,12.594 64.81,12.529 65.007,12.529 65.072,12.594 65.072,12.836 65.137,12.902 65.334,12.902 65.399,12.836 65.399,12.594 65.464,12.529 65.661,12.529 65.726,12.594 65.726,12.836 65.791,12.902 65.988,12.902 66.053,12.836 66.053,12.603 66.127,12.529 66.55,12.529 72.321,12.529 72.515,12.335 81.35,3.5 123.85,3.5 128.165,7.815 129.907,7.815 129.992,7.9 IC15.47@130.325,7.9 ; v1(70.818,57.361) 71.064,57.115 IC4.C13@71.064,57.076
  Bottom Layer w0.127: v1(51.653,23.597) 51.653,23.531 51.55,23.428 51.55,22.975 61.996,12.529 v1@62.278,12.529 ; v1@70.734,60.404 70.734,58.274 70.743,58.265 70.743,57.977 70.941,57.779 70.941,57.674 70.87,57.604 70.87,57.413 v1(70.818,57.361)
62_5MHZ_P: IC4.D13 IC15.48 | length 153.4
  Top Layer w0.127: v1(51.121,23.6) 51.121,23.674 51.222,23.775 51.222,60.12 54.321,63.219 69.147,63.219 71.162,61.204 v1(71.162,60.531) ; v1(62.45,12.1) 62.524,12.1 62.622,12.198 72.184,12.198 81.213,3.17 123.987,3.17 128.302,7.485 129.907,7.485 129.992,7.4 IC15.48@130.325,7.4 ; IC4.D13@71.064,56.276 71.064,56.319 71.367,56.622 v1(71.367,56.665)
  Bottom Layer w0.127: v1(51.121,23.6) 51.121,23.526 51.22,23.428 51.22,22.838 61.859,12.198 v1@62.278,12.198 ; v1@71.064,60.404 71.064,58.411 71.073,58.402 71.073,58.114 71.271,57.916 71.271,56.947 71.315,56.903 71.315,56.718 v1(71.367,56.665)
125M_CLK_N: C45.1 C50.1 R55.2 Y2.5 | length 3.9
  Top Layer w0.127: Y2.5@70.099,77.252 70.358,77.511 70.358,77.987 70.696,78.324 R55.2@70.696,78.819 70.922,79.045 70.922,79.512 v1(70.93,79.52) 70.895,79.555 70.895,79.704 C45.1@70.734,79.866
  Bottom Layer w0.127: C50.1@70.861,78.788 71.022,78.949 71.022,79.036 71.034,79.049 71.034,79.342 70.93,79.446 v1(70.93,79.52)
125M_CLK_P: C44.1 C48.1 R56.2 Y2.4 | length 4.2
  Top Layer w0.127: Y2.4@71.369,77.252 71.297,77.323 71.297,78.435 71.661,78.799 R56.2@71.661,78.819 71.469,79.011 v1(71.469,79.535) 71.469,79.392 71.601,79.524 71.601,79.717 C44.1@71.75,79.866
  Bottom Layer w0.127: v1(71.469,79.535) 71.469,79.461 71.365,79.357 71.365,79.071 71.623,78.813 C48.1@71.623,78.788
C_N: C170.1 IC13.10 R60.1 | length 34.9
  Top Layer w0.127: v1@128.122,22.815 128.99,22.815 IC13.10@129.05,22.875 ; C170.1@141.52,2.975 141.543,2.975 141.705,3.137 141.705,3.244 141.779,3.318 142.246,3.318 142.32,3.244 142.32,3.24 142.547,3.013 R60.1@142.567,3.013 142.587,3.013 142.813,3.24 142.813,3.244 142.888,3.318 v1@143.178,3.318
  Bottom Layer w0.127: v1(127.95,22.913) 127.876,22.913 127.778,22.815 127.248,22.815 126.87,22.437 126.87,19.813 127.52,19.163 127.52,17.93 128.25,17.2 129.579,15.871 129.579,9.304 129.675,9.208 130.916,7.967 132.413,6.47 137.913,6.47 138.413,5.97 139.036,5.97 141.687,3.318 143.178,3.318 143.276,3.22 v1(143.35,3.22)
C_P: C167.1 IC13.11 R60.2 | length 34.8
  Top Layer w0.127: v1@128.122,22.485 128.99,22.485 IC13.11@129.05,22.425 ; C167.1@141.52,3.991 141.543,3.991 141.705,3.829 141.705,3.722 141.779,3.648 142.246,3.648 142.32,3.722 142.32,3.727 142.547,3.953 R60.2@142.567,3.953 142.587,3.953 142.813,3.727 142.813,3.722 142.888,3.648 v1@143.178,3.648
  Bottom Layer w0.127: v1(127.95,22.386) 127.876,22.386 127.778,22.485 127.385,22.485 127.2,22.3 127.2,19.95 127.85,19.3 127.85,18.067 129.909,16.008 129.909,9.441 132.55,6.8 134.181,6.8 134.754,6.8 134.828,6.874 134.828,7.332 134.893,7.397 135.09,7.397 135.155,7.332 135.155,6.874 135.229,6.8 135.62,6.8 138.05,6.8 138.55,6.3 139.172,6.3 141.824,3.648 143.178,3.648 143.276,3.746 v1(143.35,3.746)
CFG_CCLK: IC4.E8 IC6.6 IC17.2 | length 67.3
  Top Layer w0.254: v1(66.672,55.876) 66.672,55.872 67.064,55.48 IC4.E8@67.064,55.476
  L4 w0.127: v3(93.602,44.658) 93.654,44.658 93.813,44.5 94.798,44.5 96.724,46.426 96.724,47.726 96.458,47.991 96.458,48.409 97.255,49.206 97.255,54.306 v3(98.65,55.7) ; v1(96.15,58.4) 96.839,58.4 97.087,58.648 97.087,65.481 v1(97.106,65.499)
  Bottom Layer w0.127: v1(66.672,55.876) 66.672,55.912 69.445,58.685 69.445,58.692 69.348,58.789 69.348,59.112 69.456,59.22 69.456,59.919 70.218,60.682 70.218,63.669 72.15,65.6 97.031,65.6 97.106,65.526 v1(97.106,65.499) ; IC17.2@92.181,44.388 93.369,44.388 93.602,44.621 v3(93.602,44.658) ; v1(96.15,58.4) 97.297,58.4 97.818,57.879 97.818,57.087 97.959,56.946 97.959,56.39 v3@98.553,55.797 ; IC6.6@97.164,55.452 97.866,55.452 97.877,55.441 98.197,55.441 98.547,55.791 98.638,55.7 v3(98.65,55.7)
CFG_TCK: D2.3 IC4.F8 IC31.4 J6.6 | length 124.7
  Top Layer w0.127: v1(56.002,61.09) 58.46,61.09 58.799,60.751 59.521,60.751 60.525,60.75 65.18,60.751 v1(66.035,59.896) ; D2.3@58.1,77.55 58.147,77.55 58.147,80.157 58.288,80.298 v1(58.288,81.99) ; v1(118.232,62.182) 118.232,61.801 118.486,61.547 IC31.4@119.11,61.547
  Top Layer w0.254: v1(66.664,55.076) IC4.F8@67.064,54.676
  L3 w0.127: v1(56.002,61.09) 56.002,76.558 58.288,78.844 v1(58.288,81.99) ; v1(66.035,59.896) 66.281,59.649 66.281,55.458 v1(66.664,55.076)
  L4 w0.127: v1@58.418,82 60.418,84 61.05,84 65.05,88 105.748,88 107.691,86.058 107.691,76.787 118.232,66.246 v1(118.232,62.182)
CFG_TDI: D3.3 IC4.T9 IC31.5 J6.10 | length 152.7
  Top Layer w0.127: D3.3@54,77.55 54.224,77.774 54.224,80.234 J6.10@54.256,80.266 55.11,80.266 55.176,80.2 v1(55.25,80.2) ; v1(118.114,61.283) 118.125,61.294 118.23,61.294 118.378,61.147 IC31.5@119.11,61.147
  Top Layer w0.254: v1(67.438,46.25) IC4.T9@67.864,46.676
  L3 w0.127: v1(52.954,39.83) 52.319,40.465 52.319,62.309 55.25,65.24 v1(55.25,80.2)
  L4 w0.127: v1@55.237,80.213 56.524,81.5 61.6,81.5 67.846,87.746 105.643,87.746 107.334,86.055 107.334,76.127 117.841,65.62 117.841,62.02 118.114,61.747 v1(118.114,61.283)
  Bottom Layer w0.127: v1(52.954,39.83) 53.462,39.322 64.317,39.322 66.035,41.039 66.035,45.457 66.471,45.893 67.081,45.893 v1(67.438,46.25)
CFG_TDO: D3.2 IC4.T8 IC33.4 J6.8 | length 151.8
  Top Layer w0.127: J6.8@56.256,80.266 v1(56.256,78.2) 56.256,77.594 D3.2@56.3,77.55 ; v1(118.232,56.848) 118.486,56.594 IC33.4@119.11,56.594
  Top Layer w0.254: v1(66.664,46.311) 66.681,46.311 67.046,46.676 IC4.T8@67.064,46.676
  L3 w0.127: v1(52.954,40.465) 52.65,40.769 52.65,61.878 54.986,64.214 54.986,64.616 55.504,65.134 55.504,77.45 56.256,78.202 v1@56.256,78.35
  L4 w0.127: v1@56.25,78.2 56.256,78.206 56.256,79.2 57.656,80.6 61.7,80.6 68.301,87.201 101.722,87.201 102.611,86.312 102.611,82.639 103.373,81.877 103.373,77.308 112.609,68.072 112.609,60.641 113.129,60.121 116.029,60.121 118.232,57.918 v1(118.232,56.848)